# KiCad board polygonus-Shortage-Version.kicad_pcb (continued)
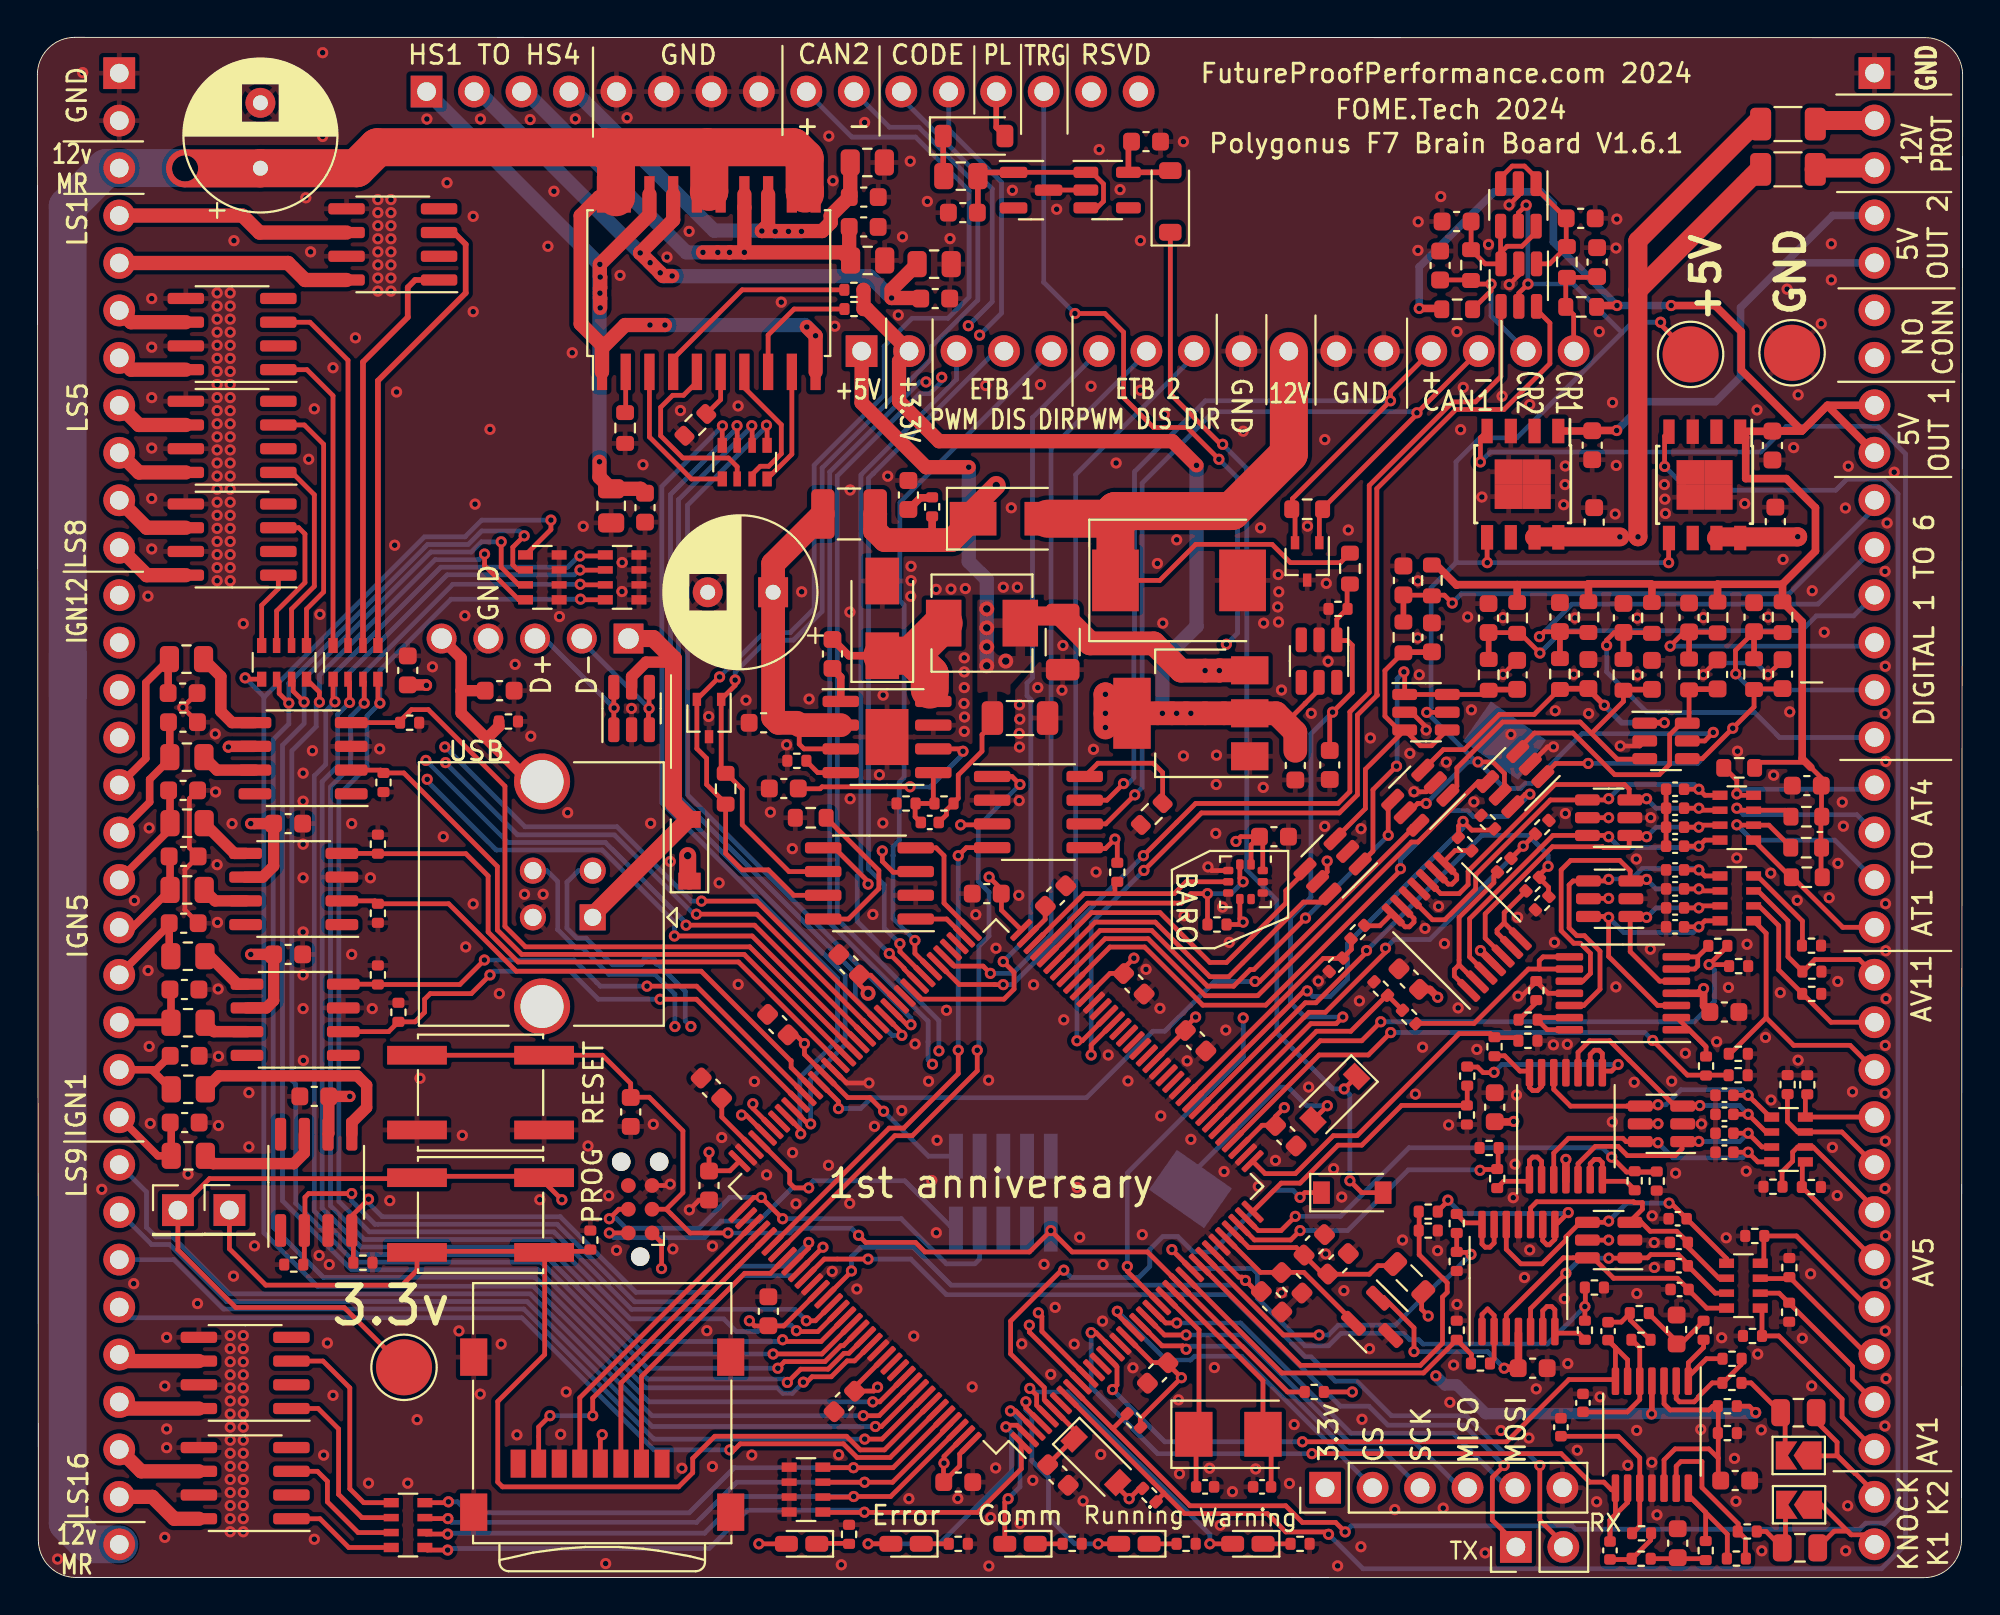
[diagram p0: board, top side]
## Routing (per net, layer and track width the routed paths; a pad name or vN(x,y) marks a point on that pad's centre or on a via; arc(x,y) is an arc through that point) (continued)
/5V_SENSOR_2: length 28.6
  Top w0.254: 83.16,61.37 83.19,61.4
  Top w0.406: 83.19,61.4 v1(84.5,61.4) ; U2.1 83.16,61.37
  Bottom w0.406: J5.4 96.06,72.91 93.52,70.37 ; 93.52,70.37 J5.5 ; 93.52,70.37 91.13,67.98 91.13,64.28 89.79,62.94 86.04,62.94 v1(84.5,61.4)
/12V_MR: length 152.1
  Top w0.762: v1(33.58,67.04) 31.45,67.04 30.21,65.8 U40.1 30.21,65.96 29.07,67.1 29.07,72.89 30.06,73.88 30.96,73.88 ; U40.10 v1(41.64,66.47) v1(41.17,66.94)
  Top w2.032: 35.93,74.17 35.95,74.19 35.95,76.44 35.84,76.56 ; 30.29,76.56 18.2,76.56 17.07,75.43 C1.1 11.92,75.42 v4(7.9,75.42) ; 30.29,76.56 35.84,76.56 ; 30.29,76.56 30.96,75.89 30.96,73.88 ; 35.84,76.56 40.45,76.56 41.05,75.95 41.05,74.21 41.07,74.19 41.07,74.07
  Bottom w0.762: v1(32.78,67.04) v1(33.58,67.04) 41.06,67.04 v1(41.17,66.94) 41.64,66.46
  Bottom w2.023: 1.62,49.35 1.62,2.92 2.77,1.78 J4.32
  Bottom w2.032: 1.62,47.25 1.62,73.39 3.67,75.44 7.89,75.44 v4(7.9,75.42)
/12V_PROT: length 98.8
  Top w0.406: 47.87,56.82 47.87,55.66 47.75,55.53
  Top w1.016: 92.05,77.97 85.63,71.55 85.63,68.89 ; U2.7 80.13,55.7 v1(84.67,55.7) ; 49.91,56.67 49.91,57.06 v2(51.3,58.45) ; v1(94.19,55.71) 94.18,55.7 89.9,55.7 U1.7 ; 85.63,68.89 85.63,55.71 v1(85.64,55.71) ; 85.63,68.89 92.03,75.29
  Top w1.27: L1.1 44.83,56.93 44.83,56.04 45.33,55.53 48.92,55.53 D2.1
  In2.Cu w1.016: v2(51.3,58.45) 72.64,58.45 75.43,55.66 75.48,55.71 84.67,55.71 v1(84.67,55.7) 84.68,55.71 v1(85.64,55.71) 94.18,55.71 v1(94.19,55.71) 94.18,55.7 ; 81.34,55.68 81.31,55.71 80.1,55.71 80.11,55.7 80.12,55.7
/12V_RAW: length 37.5
  Top w0.254: D1.1 60.05,53.37 61.98,55.3 66.06,55.3 67.04,54.32 69.72,54.32 R96.1
  Top w2.032: D2.2 57.35,56.67 57.68,57.01 57.68,57.08 ; J6.10 66.96,60.15 63.9,57.08 57.68,57.08 ; 57.68,57.08 D1.1
/AV1: length 10.7
  Top w0.254: J5.30 96.56,8.6 96.56,9.55 93.17,12.94 92.25,12.94 92.27,12.96 92.27,14.33 RN2.1
/AV2: length 8.9
  Top w0.254: J5.29 97.11,10.58 97.11,11.3 93.73,14.69 93.73,14.69 93.19,15.23 RN2.2
/AV3: length 7.9
  Top w0.254: RN2.3 92.2,16.01 93.64,16.01 93.74,16.11 93.74,16.09 97.89,11.95 J5.28
/AV4: length 9
  Top w0.254: RN2.4 92.37,17.02 92.37,18.29 94.12,18.29 97.92,14.49 J5.27
/AV5: length 6.9
  Top w0.254: J5.26 94.43,20.89 94.43,22.09 RN3.1
/AV6: length 8.1
  Top w0.254: 93.35,20.92 93.35,21.72 93.92,22.29 93.92,22.78 94.19,23.05 RN3.2 95,23.05 98.29,19.76 J5.25
/AV7: length 7.1
  Top w0.254: 93.64,25.89 93.64,24.4 94.19,23.85 RN3.3 96.55,23.85 J5.24
/AV8: length 5.1
  Top w0.254: J5.23 98.29,24.65 RN3.4 94.59,25.79 94.7,25.89 94.59,25.79
/AV9: length 15.2
  Top w0.254: J5.22 96.99,28.49 93.97,28.49 92.49,29.96 ; 92.49,29.96 92.49,34.49 ; 92.49,29.96 90.51,27.98 ; RN4.1 92.49,34.49
/AV10: length 10.4
  Top w0.254: RN4.2 92.11,35.95 93.17,34.89 93.17,32.52 95.97,29.73 J5.21
/AV11: length 10
  Top w0.254: RN4.3 92.06,36.75 93.67,35.15 93.67,33.23 94.46,32.43 95.1,33.08 97.48,33.08 J5.20
/mcu/5V_SENSOR_1_PG: length 119
  Top w0.254: U1.4 87.06,61.1 v1(87.06,59.47) ; 57.5,8.01 61.67,3.85 66.79,3.85 67.69,2.95 69.46,2.95 v1(69.97,2.45) ; 57.5,8.01 U26.9 ; 57.5,8.01 57.58,8.01 58.33,8.76
  Bottom w0.254: v1(87.06,59.47) 88.34,58.2 96.22,58.2 96.82,58.79 98.76,58.79 99.55,58 99.55,3.61 98.81,2.87 98.76,2.91 97.83,2.91 97.5,2.59 82.29,2.59 82.11,2.77 70.3,2.77 v1(69.97,2.45)
/mcu/5V_SENSOR_2_PG: length 134.2
  Top w0.254: 60.26,4.54 55.12,9.68 U26.8 ; 60.26,4.54 61.37,3.43 65.82,3.43 66.8,2.45 68.96,2.45 v1(69.08,2.32) ; 60.26,4.54 60.26,4.49 59.84,4.07 ; v1(77.21,59.71) 77.21,61.01 U2.4
  Bottom w0.254: v1(77.21,59.71) 77.74,60.24 92.2,60.24 93.57,61.62 98.48,61.62 99.96,60.14 99.96,4.25 99.96,1.76 98.67,0.47 70.93,0.47 v1(69.08,2.32)
/mcu/12V_DIVIDED: length 39.2
  Top w0.254: R96.2 70.08,53.03 70.08,51.85 69.52,51.3 69.52,50.15 70.1,50.15 70.35,49.91 70.35,47.38 v1(69.3,46.32) 69.15,46.17 69.15,44.28 ; U26.43 68.14,29.65 69.49,29.65 v1(69.84,30)
  Bottom w0.254: v1(69.84,30) 67.81,30 67.05,30.77 67.05,35.32 68.14,36.41 68.14,45.16 v1(69.3,46.32)
/mcu/AV1: length 18.9
  Top w0.254: 76.73,11.46 76.73,11.95 R59.2 ; 75.94,12.73 74.16,10.95 66.58,10.95 U26.26
/mcu/AV2: length 29.8
  Top w0.254: 82.8,13.73 v1(82.8,14.51) 82.82,14.53 82.82,15.53 ; v1(60.7,17.56) 60.7,17.54 U26.27
  Bottom w0.254: v1(82.8,14.51) 80.79,12.5 74.14,12.5 73.91,12.73 73.43,12.73 73.09,13.07 69.75,13.07 69.08,12.41 67.82,12.41 65.27,14.96 65.27,16.29 65.02,16.54 61.72,16.54 v1(60.7,17.56)
/mcu/AV3: length 23.5
  Top w0.254: U26.28 67.59,11.36 73.99,11.36 75.18,12.54 75.18,15.02 75.43,15.27 75.43,15.78 73.93,17.28 73.93,19.59
/mcu/AV4: length 19.5
  Top w0.254: U26.29 66.67,12.99 v1(68.57,12.99) ; v1(76.7,17.3) 76.6,17.41 75.94,17.41 75.94,18.47
  Bottom w0.254: v1(76.7,17.3) 75.43,16.03 75.18,16.03 72.66,13.51 69.61,13.51 69.08,12.99 v1(68.57,12.99)
/mcu/AV5: length 16.9
  Top w0.254: v1(77.19,21.8) 77.23,21.84 78.11,21.84 78.16,21.9 78.16,23 ; v1(67.56,18.57) 67.06,18.07 65.12,18.07 U26.34
  Bottom w0.254: v1(77.19,21.8) 77.16,21.82 73.35,21.82 70.1,18.57 v1(67.56,18.57)
/mcu/AV6: length 25.8
  Top w0.254: v1(67.3,19.34) 66.54,18.57 65.32,18.57 U26.35 ; v1(84.23,22.5) 85.03,21.71 86.64,21.71 85.48,21.71 85.46,21.73
  Bottom w0.254: v1(67.3,19.34) 69.72,19.34 73.39,23.01 83.73,23.01 v1(84.23,22.5)
/mcu/AV7: length 14.9
  Top w0.254: U26.36 66.55,21.11 67.56,21.11 69.59,23.15 70.86,23.15 72.99,25.27 R73.2 76.5,25.29 76.5,26.36
/mcu/AV8: length 17.8
  Top w0.254: U26.37 65.69,21.62 67.3,21.62 69.34,23.65 70.61,23.65 76.07,29.12 77.74,29.12 77.96,28.9 79.1,28.9 79.27,28.73
/mcu/AV9: length 29.9
  Top w0.254: 90.5,26.9 88.28,26.9 v1(86.43,28.75) ; U26.40 68.58,27.97 71.21,27.97 v1(72.41,29.17)
  Bottom w0.254: v1(72.41,29.17) 86.01,29.17 v1(86.43,28.75)
/mcu/AV10: length 33.7
  Top w0.254: 90.4,33.81 90.4,33.76 v1(89.44,32.81) 90.46,32.81 90.54,32.73 ; v1(71.88,29.75) 70.86,28.73 68.63,28.73 U26.41
  Bottom w0.254: v1(71.88,29.75) 88.64,29.75 89.73,30.84 89.73,32.52 v1(89.44,32.81)
/mcu/AV11: length 13.1
  Top w0.254: 73.06,30.35 72.22,31.19 70.28,29.24 68.44,29.24 U26.42
/mcu/VDDA: length 9.9
  Top w0.254: U26.33 64.82,17.67 67.35,17.67 68.78,16.24 71.26,16.24 71.72,16.7 72.74,16.7
GND: length 40.6
  Top w0.254: C32.2 89.14,48.36 v1(89.14,48.32) ; U26.94 42.53,27.24 43.3,26.47 v1(44.5,26.47) ; U13.2 79.24,73.96 v1(78.74,73.47) ; v1(84.69,44.51) 85.73,44.51 U12.2 ; v1(78.75,69.2) 79.26,69.72 U14.2 ; v1(33.86,21.06) 33.79,20.99 J9.5 ; C31.2 93.37,49.1 v1(92.6,48.32) ; U41.2 54.11,74.26 IC1.3 ; v1(73.66,42.06) 74.31,42.06 U10.2 ; v1(81.12,44.46) 80.8,44.46 U8.2 ; C96.2 7.89,35.74 7.89,37.89 C99.2 8.13,39.07 8.13,41.69 C100.2 ; C101.2 7.78,46.56 v1(7.78,46.57) 7.78,46.58 C102.2 ; 35.94,20.2 35.4,20.2 v1(34.88,19.68) ; v1(62.63,38.04) 62.83,37.84 U24.3 ; 87.14,42.2 87.14,39.15 ; 83.79,15.53 83.96,15.36 ; v1(79.22,31.12) 79.42,31.12 80.2,31.9 80.83,31.27 81.88,31.27 ; C33.2 v1(78.42,48.34) ; 73.16,46.32 73.51,46.32 74.31,45.52 v1(74.31,45.36)
  Bottom w0.254: J8.9 54.22,22.51 ; J8.3 50.41,22.51 ; J8.5 51.68,22.51 ; v1(89.14,48.32) 89.77,48.95 91.97,48.95 v1(92.6,48.32)
  vias: v1(1.08,0.99) v1(2.42,80.55) v1(3.45,20.78) v1(5.15,15.73) v1(5.19,36.24) v1(5.92,52.53) v1(5.92,32.49) v1(5.98,40.12) v1(5.98,28.43) v1(6.04,24.31) v1(6.12,68.46) v1(6.12,65.86) v1(6.12,63.16) v1(6.12,60.46) v1(6.12,57.76) v1(6.12,55.06) v1(6.82,10.26) v1(6.82,2.16) v1(6.92,12.86) v1(6.92,7.96) v1(6.92,6.96) v1(8.06,21.59) v1(8.57,14.67) v1(9.52,45.16) v1(9.54,42.05) v1(9.62,68.76) v1(9.62,68.06) v1(9.62,67.36) v1(9.62,66.66) v1(9.62,65.96) v1(9.62,65.26) v1(9.62,64.56) v1(9.62,63.86) v1(9.62,63.16) v1(9.62,62.46) v1(9.62,61.76) v1(9.62,61.06) v1(9.62,60.36) v1(9.62,59.66) v1(9.62,58.96) v1(9.62,58.26) v1(9.62,57.56) v1(9.62,56.86) v1(9.62,56.16) v1(9.62,55.46) v1(9.62,54.76) v1(9.62,54.06) v1(9.62,53.36) v1(9.62,38.16) v1(9.64,35.07) v1(9.67,31.51) v1(9.69,27.9) v1(9.69,24.2) v1(10.24,79.51) v1(10.32,68.76) v1(10.32,68.06) v1(10.32,67.36) v1(10.32,66.66) v1(10.32,65.96) v1(10.32,65.26) v1(10.32,64.56) v1(10.32,63.86) v1(10.32,63.16) v1(10.32,62.46) v1(10.32,61.76) v1(10.32,61.06) v1(10.32,60.36) v1(10.32,59.66) v1(10.32,58.96) v1(10.32,58.26) v1(10.32,57.56) v1(10.32,56.86) v1(10.32,56.16) v1(10.32,55.46) v1(10.32,54.76) v1(10.32,54.06) v1(10.32,53.36) v1(10.32,12.96) v1(10.32,12.26) v1(10.32,11.56) v1(10.32,10.86) v1(10.32,10.16) v1(10.32,9.46) v1(10.32,8.76) v1(10.32,8.06) v1(10.32,7.36) v1(10.32,6.66) v1(10.32,5.96) v1(10.32,5.26) v1(10.32,4.56) v1(10.32,3.86) v1(10.32,3.16) v1(10.32,2.46) v1(10.42,40.36) v1(10.52,71.56) v1(10.49,16.14) v1(11.02,51.06) v1(11.02,12.96) v1(11.02,12.26) v1(11.02,11.56) v1(11.02,10.86) v1(11.02,10.16) v1(11.02,9.46) v1(11.02,8.76) v1(11.02,8.06) v1(11.02,7.36) v1(11.02,6.66) v1(11.02,5.96) v1(11.02,5.26) v1(11.02,4.56) v1(11.02,3.86) v1(11.02,3.16) v1(11.02,2.46) v1(11.32,25.96) v1(11.32,23.06) v1(11.62,17.76) v1(14.22,43.06) v1(14.22,41.56) v1(14.22,39.26) v1(14.22,37.46) v1(14.22,34.56) v1(14.22,32.26) v1(14.22,30.46) v1(14.23,27.68) v1(14.36,73.85) v1(14.52,59.86) v1(14.62,70.96) v1(14.72,44.26) v1(14.82,62.56) v1(14.82,2.06) v1(15.12,51.56) v1(15.07,17.24) v1(15.26,81.62) v1(15.26,77.13) v1(15.32,6.56) v1(15.52,12.56) v1(15.62,16.76) v1(15.82,64.76) v1(15.82,9.76) v1(16.82,40.36) v1(16.82,33.36) v1(17.02,66.36) v1(17.72,5.06) v1(17.82,37.46) v1(17.92,30.46) v1(18.22,73.76) v1(18.22,73.06) v1(18.22,72.36) v1(18.22,71.66) v1(18.22,70.96) v1(18.22,70.26) v1(18.22,69.56) v1(18.22,68.86) v1(18.32,44.36) v1(18.86,20.18) v1(18.92,73.76) v1(18.92,73.06) v1(18.92,72.36) v1(18.92,71.66) v1(18.92,70.96) v1(18.92,70.26) v1(18.92,69.56) v1(18.92,68.86) v1(19.12,55.26) v1(19.22,63.46) v1(19.82,5.06) v1(20.32,8.46) v1(20.47,26.73) v1(20.84,78.07) v1(21.14,48.75) v1(21.72,39.66) v1(21.92,74.66) v1(22.56,13.2) v1(22.74,23.67) v1(22.87,51.48) v1(22.92,33.76) v1(23.32,72.86) v1(23.32,67.76) v1(23.32,36.06) v1(23.42,57.46) v1(23.71,78.07) v1(23.7,9.82) v1(24.22,61.46) v1(24.72,31.26) v1(24.82,12.5) v1(25.56,48.88) v1(25.66,7.64) v1(26.06,36.57) v1(26.37,78.04) v1(26.4,45.03) v1(26.88,20.23) v1(27.06,36.57) v1(27.32,71.26) v1(27.64,74.2) v1(27.93,51.44) v1(28,7.67) v1(28.29,9.94) v1(28.37,40.94) v1(28.62,65.56) v1(28.78,78.08) v1(29.2,56.27) v1(29.46,23.1) v1(30.41,0.75) v1(30.57,20.44) v1(30.99,17.52) v1(31.18,69.7) v1(31.29,54.33) v1(31.28,52.78) v1(31.55,78.14) v1(31.79,46.52) v1(32.4,59.56) v1(32.81,40.37) v1(32.95,24.26) v1(33.69,70.68) v1(33.86,38.33) v1(34,17.59) v1(34.41,62.46) v1(34.49,5.86) v1(34.87,72.05) v1(35.82,13.22) v1(35.92,46.09) v1(36.12,17.74) v1(36.12,5.95) v1(36.48,37.18) v1(36.62,23.56) v1(37.49,62.71) v1(37.5,31.75) v1(37.91,46.96) v1(38.23,6.56) v1(38.36,26.56) v1(39.02,21.56) v1(39.22,40.97) v1(39.8,68.26) v1(40.09,44.57) v1(40.39,39.01) v1(40.41,22.75) v1(40.59,20.01) v1(40.89,52.76) v1(41.29,47.03) v1(42.35,77.15) v1(42.33,22.07) v1(42.56,74.76) v1(42.53,16.39) v1(42.67,66.98) v1(42.87,6.58) v1(43.01,0.69) v1(43.46,20.03) v1(43.48,58.21) v1(43.47,51.68) v1(43.48,41.68) v1(43.84,15.45) v1(44.26,77.88) v1(44.7,35.49) v1(44.79,24.15) v1(45.05,42.97) v1(45.25,47.23) v1(45.24,40.39) v1(45.5,58.95) v1(46.06,67.57) v1(46.25,25) v1(46.29,71.76) v1(46.63,4.23) v1(46.7,75.81) v1(46.74,54.13) v1(46.74,53.36) v1(46.73,52.52) v1(46.96,28.56) v1(46.89,12.93) v1(47.62,73.66) v1(47.68,26.57) v1(47.86,21.25) v1(48.09,52.89) v1(48.14,23.41) v1(48.1,18.46) v1(48.64,30.36) v1(48.83,71.67) v1(48.88,52.91) v1(49.25,4.24) v1(49.65,52.94) v1(49.59,49.23) v1(49.59,48.48) v1(49.59,47.64) v1(49.58,46.78) v1(49.61,46.06) v1(49.59,45.29) v1(50.02,10.21) v1(50.21,35.48) v1(50.74,63.8) v1(50.9,26.62) v1(50.91,0.62) v1(51.01,3.21) v1(51.29,33.69) v1(51.27,5.87) v1(51.68,53.01) v1(52.11,57.26) v1(52.17,74.25) v1(52.43,53.01) v1(52.55,46.71) v1(52.56,45.95) v1(52.53,45.18) v1(52.55,44.45) v1(52.53,41.59) v1(52.51,36.52) v1(52.58,2.9) v1(52.67,12.51) v1(53.26,5.21) v1(53.3,31.73) v1(53.53,47.64) v1(53.67,63.85) v1(53.86,16.77) v1(54.22,10.88) v1(54.46,14.47) v1(54.54,73.24) v1(54.82,47.5) v1(54.87,49.89) v1(54.92,29.86) v1(55.48,12.5) v1(55.63,20.88) v1(55.77,18.22) v1(55.95,4.11) v1(56.37,63.76) v1(56.51,44.33) v1(56.64,37.76) v1(56.81,76.43) v1(56.89,6.59) v1(57.02,16.76) v1(56.99,13.73) v1(57.29,27.97) v1(57.72,59.66) v1(57.93,74.29) v1(58.35,26.58) v1(58.62,11.23) v1(59.02,71.56) v1(59.02,63.55) v1(59.12,18.36) v1(59.32,32.56) v1(59.92,54.28) v1(60.06,30.47) v1(60.11,24.71) v1(60.22,51.08) v1(60.3,62.25) v1(60.96,55.54) v1(61.05,9.52) v1(61.11,5.56) v1(61.32,76.86) v1(61.32,43.98) v1(61.35,35.42) v1(61.52,27.66) v1(61.72,23.46) v1(62.72,5.86) v1(63.05,39.83) v1(62.97,11.25) v1(63.09,44.02) v1(63.07,42.45) v1(63.29,2.81) v1(63.41,35.89) v1(63.49,21.74) v1(63.59,29.31) v1(63.77,34) v1(63.94,4.6) v1(64.52,61.36) v1(65.19,5.82) v1(65.33,20.94) v1(65.44,56.19) v1(65.61,51.09) v1(65.59,42.29) v1(66.24,22.33) v1(66.36,51.95) v1(66.39,53.69) v1(66.42,52.76) v1(66.41,51.14) v1(66.57,47.5) v1(66.57,15.24) v1(66.99,5.04) v1(67.24,8.19) v1(67.96,56.28) v1(68.02,26.26) v1(68.16,46.26) v1(68.54,31.93) v1(68.88,60.91) v1(68.96,53.22) v1(68.88,40.21) v1(68.93,17.32) v1(69.06,49.04) v1(69.35,21.89) v1(69.57,0.63) v1(69.79,20.37) v1(69.9,15.36) v1(70.14,56.07) v1(70.73,30.87) v1(70.82,40.08) v1(70.81,1.65) v1(70.87,8.48) v1(71.32,44.94) v1(71.28,12.25) v1(72.63,3.64) v1(73.04,18.07) v1(73.43,44.11) v1(73.73,25.88) v1(73.87,71.03) v1(73.86,53.35) v1(73.85,50.29) v1(73.88,72.57) v1(73.94,48.32) v1(74.11,28.39) v1(74.24,34.75) v1(74.92,17.5) v1(74.97,35.93) v1(75.09,73.92) v1(75.22,3.72) v1(75.28,33.93) v1(75.38,43.64) v1(75.51,24.23) v1(75.57,9.38) v1(75.78,11.38) v1(75.95,66.69) v1(75.95,14.62) v1(76.02,30.49) v1(76.15,61.44) v1(76.29,63.7) v1(76.53,51.42) v1(76.73,46.44) v1(76.86,41.52) v1(77.02,28.27) v1(77.29,57.83) v1(77.46,1.32) v1(77.64,71.35) v1(78.3,7.87) v1(78.37,63.23) v1(78.41,51.38) v1(78.84,45.13) v1(78.97,20.33) v1(79.06,22.13) v1(79.14,25.83) v1(79.2,35.34) v1(79.56,16.06) v1(79.85,62.78) v1(79.85,17.54) v1(79.8,7.47) v1(80.2,10.1) v1(81.12,28.52) v1(81.21,46.4) v1(81.17,34) v1(81.67,57.42) v1(81.75,59.5) v1(81.74,58.5) v1(81.75,40.89) v1(81.7,14.93) v1(81.86,28.54) v1(81.88,11.45) v1(82.2,48.35) v1(82.27,51.37) v1(82.39,6.82) v1(83,46.25) v1(83.43,4.06) v1(83.57,66.69) v1(83.61,9.68) v1(84.27,24.39) v1(84.28,62.89) v1(84.46,71.16) v1(84.42,56.93) v1(84.46,31.62) v1(84.51,72.71) v1(84.48,59.53) v1(85.09,6.01) v1(85.44,26.51) v1(85.55,38.46) v1(85.6,51.35) v1(85.62,48.31) v1(85.58,15.2) v1(85.57,7.88) v1(86.32,40.68) v1(86.3,33.63) v1(86.4,19.36) v1(86.38,6.17) v1(86.5,17.93) v1(86.51,16.6) v1(86.66,3.36) v1(87.05,58.5) v1(87.08,57.72) v1(87.11,56.95) v1(87.44,26.57) v1(87.65,21.65) v1(88.17,28.06) v1(89.03,24.28) v1(89,7.94) v1(89.14,51.38) v1(89.85,28.68) v1(90.12,12.84) v1(90.36,18.19) v1(90.48,31.59) v1(90.8,6.38) v1(90.96,44.23) v1(90.93,38.52) v1(90.88,4.09) v1(91.35,57.48) v1(91.43,21.75) v1(91.47,33.9) v1(92.01,62.49) v1(92.05,11.96) v1(92.24,7.91) v1(92.26,1.44) v1(92.46,28.91) v1(92.6,51.41) v1(92.74,37.7) v1(92.76,25.56) v1(92.9,42.95) v1(93.25,31.31) v1(93.4,54.5) v1(93.62,68.96) v1(93.76,46.34) v1(93.97,60.48) v1(94.16,36.25) v1(94.21,63.3) v1(94.2,27.7) v1(94.43,12.81) v1(94.96,52.82) v1(94.88,16.26) v1(94.93,10.26) v1(95.44,67.11) v1(95.6,50.6) v1(95.87,36.39) v1(95.98,71.39) v1(95.98,69.46) v1(96.04,23.03) v1(96.34,38.23) v1(96.33,31.91) v1(96.3,20.45) v1(96.57,41.5) v1(96.63,40.22) v1(96.74,57.25) v1(96.75,1.43) v1(96.86,3.85) v1(96.89,59.49) v1(97.12,26) v1(98.86,53.86) v1(98.86,46.24) v1(98.86,25.92) v1(98.86,20.83) v1(98.85,8.12) v1(98.87,48.78) v1(98.9,43.68) v1(98.88,36.07) v1(98.9,33.55) v1(98.91,30.99) v1(98.87,28.48) v1(98.87,23.36) v1(98.88,18.3) v1(98.87,15.74) v1(98.87,13.2) v1(98.91,10.66) v1(98.97,56.45) v1(99.35,59.16)
/AT1: length 8.4
  Top w0.254: J5.19 96.6,34.81 93.92,37.49 93.81,37.49 RN1.1
/AT2: length 12
  Top w0.254: v1(90.93,40.29) 90.95,40.27 RN1.2 92.65,40.27 93.85,39.07
  Bottom w0.254: J5.18 96.17,39.47 91.75,39.47 v1(90.93,40.29)
/AT3: length 11
  Top w0.254: v1(90.93,41.18) 91.03,41.07 RN1.3 93.52,41.07 93.86,40.73
  Bottom w0.254: v1(90.93,41.18) 91.27,40.83 97.35,40.83 J5.17
/AT4: length 10.2
  Top w0.254: RN1.4 91,41.87 v1(90.93,41.94) 90.93,42.68 90.27,43.34
  Bottom w0.254: J5.16 98.06,42.2 91.18,42.2 v1(90.93,41.94)
/CAN2+: length 61.1
  Top w0.254: U5.7 40.47,36.52 39.11,37.88 37.71,37.88 36.82,38.77 36.82,41.43 35.81,42.45 35.81,43.85 35.29,44.37 D5.2 36.49,48.21 v1(36.5,48.21)
  Bottom w0.254: J7.9 43.58,77.1 46.98,77.1 49.85,74.24 49.85,68.53 48.72,67.4 46.8,67.4 45.3,65.9 45.3,63.28 41.56,59.54 41.56,51.86 40.28,50.58 38.87,50.58 v1(36.5,48.21)
/CAN2-: length 55.3
  Top w0.254: v1(37.33,48.04) 37.33,47.75 D5.1 36.59,43.25 36.82,43.01 36.9,43.01 37.71,42.2 37.71,40.29 40.22,37.79 U5.6
  Bottom w0.254: v1(37.33,48.04) 37.33,48.47 39.04,50.17 40.45,50.17 41.99,51.71 41.99,59.39 47.84,65.25 47.84,65.9 50.32,68.38 50.32,74.47 47.16,77.63 45.59,77.63 J7.10
/CAN+: length 48.2
  Top w0.254: v1(58.11,42.5) 57.22,41.61 U4.7 ; J6.13 72.4,63.46 v1(72.4,62.99) 67.15,57.74 67.15,57.18 67.29,57.04 D4.2
  Bottom w0.254: v1(72.4,62.99) 62.5,62.99 58.7,59.19 58.7,50.23 58.67,50.19 58.67,42.81 58.36,42.5 v1(58.11,42.5)
/CAN-: length 50.3
  Top w0.254: J6.14 73.82,62.34 v1(73.81,62.34) 73.81,62.27 68.59,57.04 68.59,55.39 ; v1(58.72,41.89) 57.16,40.34 U4.6
  Bottom w0.254: v1(73.81,62.34) 73.75,62.4 62.94,62.4 59.11,58.58 59.11,42.29 v1(58.72,41.89)
/DIGITAL_1: length 21.5
  Top w0.254: 86.39,50.58 84.37,50.58 83.96,50.17 v1(83.96,49.89)
  Top w0.305: 84.86,49.11 84.86,50.58
  Bottom w0.254: v1(83.96,49.89) 83.96,48.48 86.1,46.34 87.29,46.34 87.32,46.31 91.87,46.31 93.21,44.97 J5.15
/DIGITAL_2: length 13.4
  Top w0.254: 93.37,50.62 91.85,50.62 90.86,49.62 90.86,48.38 v1(90.87,48.37)
  Top w0.305: 91.85,50.62 91.85,49.14
  Bottom w0.254: v1(90.87,48.37) 91.73,47.51 J5.14
/DIGITAL_3: length 15.3
  Top w0.254: v1(87.36,49.85) 88.11,50.6 89.9,50.6
  Top w0.305: 88.37,49.13 88.37,50.6
  Bottom w0.254: J5.13 98.1,49.85 v1(87.36,49.85)
/DIGITAL_4: length 23.8
  Top w0.254: v1(80.39,49.48) 79.3,50.58 77.65,50.58 77.64,50.57
  Top w0.305: 77.65,49.11 77.65,50.56 77.64,50.57
  Bottom w0.254: J5.12 97.18,51.48 95.18,51.48 94.38,50.68 ; v1(80.39,49.48) 81.59,50.68 94.35,50.68
/DIGITAL_5: length 24.1
  Top w0.254: v1(80.37,50.36) 80.63,50.62 82.99,50.62
  Top w0.305: 81.46,50.62 81.46,49.15
  Bottom w0.254: J5.11 95.27,52.1 82.11,52.1 v1(80.37,50.36)
/DIGITAL_6: length 29.4
  Top w0.254: 73.09,52.58 75.28,52.58 v1(75.7,52.16)
  Top w0.305: 73.09,51.11 73.09,52.58
  Bottom w0.254: v1(75.7,52.16) 76.2,52.66 93.72,52.66 98.29,57.23 J5.10
/ETB1_DIR: length 37.6
  Top w0.254: v1(46.95,34.1) 46.95,33.41 U26.79
  Bottom w0.254: v1(46.95,34.1) 45.78,35.27 45.78,38.65 45.79,38.65 45.79,39.13 46.11,39.46 46.11,42.57 46.37,42.83 46.37,52.06 46.15,52.28 46.15,57.55 52.88,64.27 ; 52.89,64.28 J6.5
/ETB1_DIS: length 38
  Top w0.254: v1(46.15,33.93) 46.15,33.51 U26.80
  Bottom w0.254: J6.4 51.27,65.64 44.74,59.11 44.73,59.11 44.47,58.85 44.47,37.92 45.31,37.08 45.31,34.77 v1(46.15,33.93)
/ETB1_PWM: length 37.4
  Top w0.254: v1(45.58,33.41) 46.37,32.61 46.37,32.57 U26.81
  Bottom w0.254: J6.3 49.18,64.13 44.06,59.02 44.06,37.76 43.87,37.56 43.87,35.12 v1(45.58,33.41)
/ETB2_DIR: length 42.4
  Top w0.254: U26.78 49.33,31.74 51.21,31.74 51.22,31.74 v1(51.68,31.74)
  Bottom w0.254: J6.8 61.88,65.36 55.55,59.03 55.55,35.59 55.21,35.25 55.21,34.8 52.15,31.74 v1(51.68,31.74)
/ETB2_DIS: length 40.3
  Top w0.254: v1(50.99,32.34) 50.6,32.73 49.05,32.73 U26.77
  Bottom w0.254: v1(50.99,32.34) 52.18,32.34 54.24,34.39 54.24,60.43 59.34,65.54 J6.7
/ETB2_PWM: length 42.6
  Top w0.254: v1(51.68,32.97) 52.26,32.39 52.26,31.5 51.72,30.96 47.28,30.96 U26.82
  Bottom w0.254: J6.6 53.24,62.09 53.24,48.17 52.95,47.88 52.95,47.2 53.16,46.99 53.16,46.83 53.15,46.82 53.15,34.44 v1(51.68,32.97)
/highside_quad/IN1: length 46.4
  Top w0.254: v1(40.84,23.75) 40.84,23.96 U26.101 ; v1(36.65,61.64) 36.64,61.63 RN11.4
  Bottom w0.254: v1(36.65,61.64) 33.41,58.4 33.41,41.48 42.81,32.08 42.81,28.78 40.79,26.76 40.79,23.8 v1(40.84,23.75)
/highside_quad/IN2: length 45.9
  Top w0.254: v1(37.43,61.65) 37.44,61.64 RN11.3 ; v1(41.37,24.28) 41.23,24.28 U26.100
  Bottom w0.254: v1(37.43,61.65) 37.43,61.53 33.88,57.97 33.88,41.59 43.22,32.25 43.22,28.52 41.37,26.68 v1(41.37,24.28)
/highside_quad/IN3: length 42
  Top w0.254: RN11.2 38.24,61.63 v1(38.22,61.65) ; U26.86 46.25,29.16 v1(46.25,29.02)
  Bottom w0.254: v1(46.25,29.02) 45.74,29.02 43.77,30.99 43.77,32.34 34.3,41.81 34.3,57.69 38.22,61.62 v1(38.22,61.65)
/highside_quad/IN4: length 41.3
  Top w0.254: v1(46.74,29.59) 46.53,29.59 U26.85 ; RN11.1 39.04,61.65 v1(39.01,61.68)
  Bottom w0.254: v1(46.74,29.59) 46.74,29.94 34.79,41.89 34.79,57.4 39.01,61.62 v1(39.01,61.68)
/HS1: length 34.5
  Top w0.762: C85.1 32.28,58.28 R103.1 30.07,58.9 v1(30.07,59.72) ; U40.18 32.75,72.94 v1(30.1,70.29) 30.1,69.63 v1(30.11,69.61) 30.11,69.04 30.1,69.03 v1(30.1,68.74) 30.1,68.49 30.11,68.47 v1(30.11,67.96)
  Bottom w0.762: v1(30.07,59.72) 30.07,70.27 v1(30.1,70.29) 30.07,70.29 J7.1
/HS2: length 37
  Top w0.762: U40.17 34.02,72.66 v1(32.25,70.9) 32.26,70.9 v1(32.78,70.38) v1(33.32,69.84) 33.32,69.82 33.48,69.67 v1(33.96,69.67) ; C86.1 47.23,68.49 v1(45.7,68.49) 45.7,68.94 R104.1
  Bottom w0.762: J7.2 23.61,79.54 32.25,70.9 v1(32.25,70.9) 33.5,69.65 44.54,69.65 v1(45.7,68.49)
/HS3: length 28.5
  Top w0.762: v1(37.83,70.93) 37.03,70.93 v1(37.03,70.93) v1(36.41,70.93) v1(35.61,70.93) ; v1(37.83,70.93) 37.83,73.33 37.83,73.33 U40.14 ; v1(37.83,70.93) 43.08,70.93 R105.1 43.43,70.57 C87.1
  Bottom w0.762: v1(37.83,70.93) 37.82,70.93 34.72,70.93 26.12,79.54 J7.3
/HS4: length 25.2
  Top w0.762: U40.13 39.1,72.41 v1(38.76,72.07) 41.99,72.07 42.45,72.53 42.45,72.89 C88.1 43.49,73.94 R106.1
  Bottom w0.762: v1(40.88,72.05) v1(40.19,72.05) v1(39.48,72.05) 39.46,72.07 v1(38.76,72.07) 38.74,72.09 36.21,72.09 28.77,79.54 J7.4
/IGN1: length 5.4
  Top w0.405: J4.23 6.45,22.58 R108.1 7.16,24.3 C93.1
/ign1/IN1: length 37.1
  Top w0.254: v1(16.82,20.56) 14.52,20.56 14.32,20.36 14.32,18.62 U42.2 14.28,16.81 R1501.2 ; v1(42.03,17.69) 42.03,17.69 U26.118
  Bottom w0.254: v1(42.03,17.69) 40.51,16.16 37.71,16.16 36.32,14.76 31.96,14.76 27.81,18.91 18.06,18.91 16.82,20.16 v1(16.82,20.56)
/ign1/IN2: length 32.2
  Top w0.254: U26.117 41.27,17.63 v1(41.27,17.94) ; R1502.2 16.91,18.5 U42.4 16.82,19.36 v1(17.72,20.26)
  Bottom w0.254: v1(17.72,20.26) 17.72,20.05 18.45,19.32 27.97,19.32 32.02,15.27 36.06,15.27 37.46,16.67 40,16.67 v1(41.27,17.94)
/ign1/IN3: length 29
  Top w0.254: v1(24.22,32.26) 23.22,31.26 21.02,31.26 20.72,30.96 20.72,30.26 20.21,29.75 R1503.2 18.79,29.22 U43.2 ; U26.99 35.26,30.96 v1(33.32,30.96)
  Bottom w0.254: v1(33.32,30.96) 30.02,30.96 28.52,32.46 24.42,32.46 v1(24.22,32.26)
/ign1/IN4: length 28.3
  Top w0.254: U43.4 18.2,31.76 R1504.2 22.61,31.75 v1(23.92,33.06) ; U26.98 35.27,31.66 v1(32.62,31.66)
  Bottom w0.254: v1(23.92,33.06) 28.72,33.06 30.12,31.66 v1(32.62,31.66)
/IGN2: length 4.5
  Top w0.405: 6.12,27.18 6.36,27.18 C94.1 ; 6.12,27.18 R109.1 ; 6.12,27.18 J4.22
/ign2/IN1: length 29.5
  Top w0.254: U44.2 18.06,36.22 R1601.2 22.01,36.07 25.62,32.46 35.52,32.46 40.31,27.67 40.33,27.67 40.33,27.3 U26.97
/ign2/IN2: length 33
  Top w0.254: U26.93 37.51,32.95 25.72,32.95 24.12,34.56 24.12,37.56 22.93,38.75 R1602.2 18.2,38.76 U44.4
/ign2/IN3: length 34.7
  Top w0.254: U26.92 37.81,33.36 25.92,33.36 24.61,34.66 24.61,38.06 19.61,43.07 R1603.2 18.36,43.22 U45.2
/ign2/IN4: length 39
  Top w0.254: U26.91 38.12,33.76 26.11,33.76 25.02,34.86 25.02,42.36 20.92,46.46 20.02,46.46 19.41,45.85 R1604.2 19.4,45.76 U45.4
/IGN3: length 4.6
  Top w0.405: J4.21 7.13,29.72 R110.1 7.15,31.42 C95.1
/IGN4: length 5.7
  Top w0.406: R111.1 7.05,33.34 C96.1 7.05,34.93 J4.20
/IGN5: length 5.4
  Top w0.406: J4.19 5.1,34.8 R112.1 7.1,38.55 C99.1
/IGN6: length 5.9
  Top w0.405: C100.1 7.1,42.06 R113.1 7.1,40.06 J4.18
/IGN7: length 7.1
  Top w0.405: C101.1 7.09,45.71 R114.1 7.09,43.8 6.01,42.73 6.01,41.51 J4.17
/IGN8: length 9.7
  Top w0.405: J4.16 5.8,43.84 5.8,47.9 R115.1 7,49.09 C102.1
/IGN9: length 47.6
  Top w0.254: 20.86,42.76 v1(20.86,42.73) ; U26.90 38.24,34.34 v1(34.08,34.34)
  In2.Cu w0.254: J4.15 8.12,44.96 8.92,45.76 11.52,45.76 12.26,45.01 12.26,45.01 18.61,45.01 20.86,42.76
  Bottom w0.254: v1(34.08,34.34) 34.08,35.08 30.22,38.94 24.55,38.94 20.86,42.64 v1(20.86,42.73) ; 4.45,44.89 J4.15
/IGN10: length 47.6
  Top w0.254: v1(34.71,34.92) 38.37,34.92 U26.89
  In2.Cu w0.254: J4.14 8.07,47.5 9.41,46.16 11.81,46.16 12.56,45.42 19.11,45.42 v1(20.79,43.74)
  Bottom w0.254: v1(34.71,34.92) 34.71,35.03 30.39,39.35 25.18,39.35 v1(20.79,43.74)
/IGN11: length 48.8
  Top w0.254: 21.78,43.62 v1(21.84,43.62) ; v1(35.26,35.51) 38.49,35.51 U26.88
  In2.Cu w0.254: J4.13 6.23,50.04 9.59,46.68 11.87,46.68 12.73,45.82 19.58,45.82 21.78,43.62
  Bottom w0.254: v1(35.26,35.51) 35.12,35.51 30.87,39.75 25.69,39.75 21.84,43.6 v1(21.84,43.62)